# Altium PCB nPOC-BB_beta_main-board.PcbDoc (part 1 of 3) (continued)
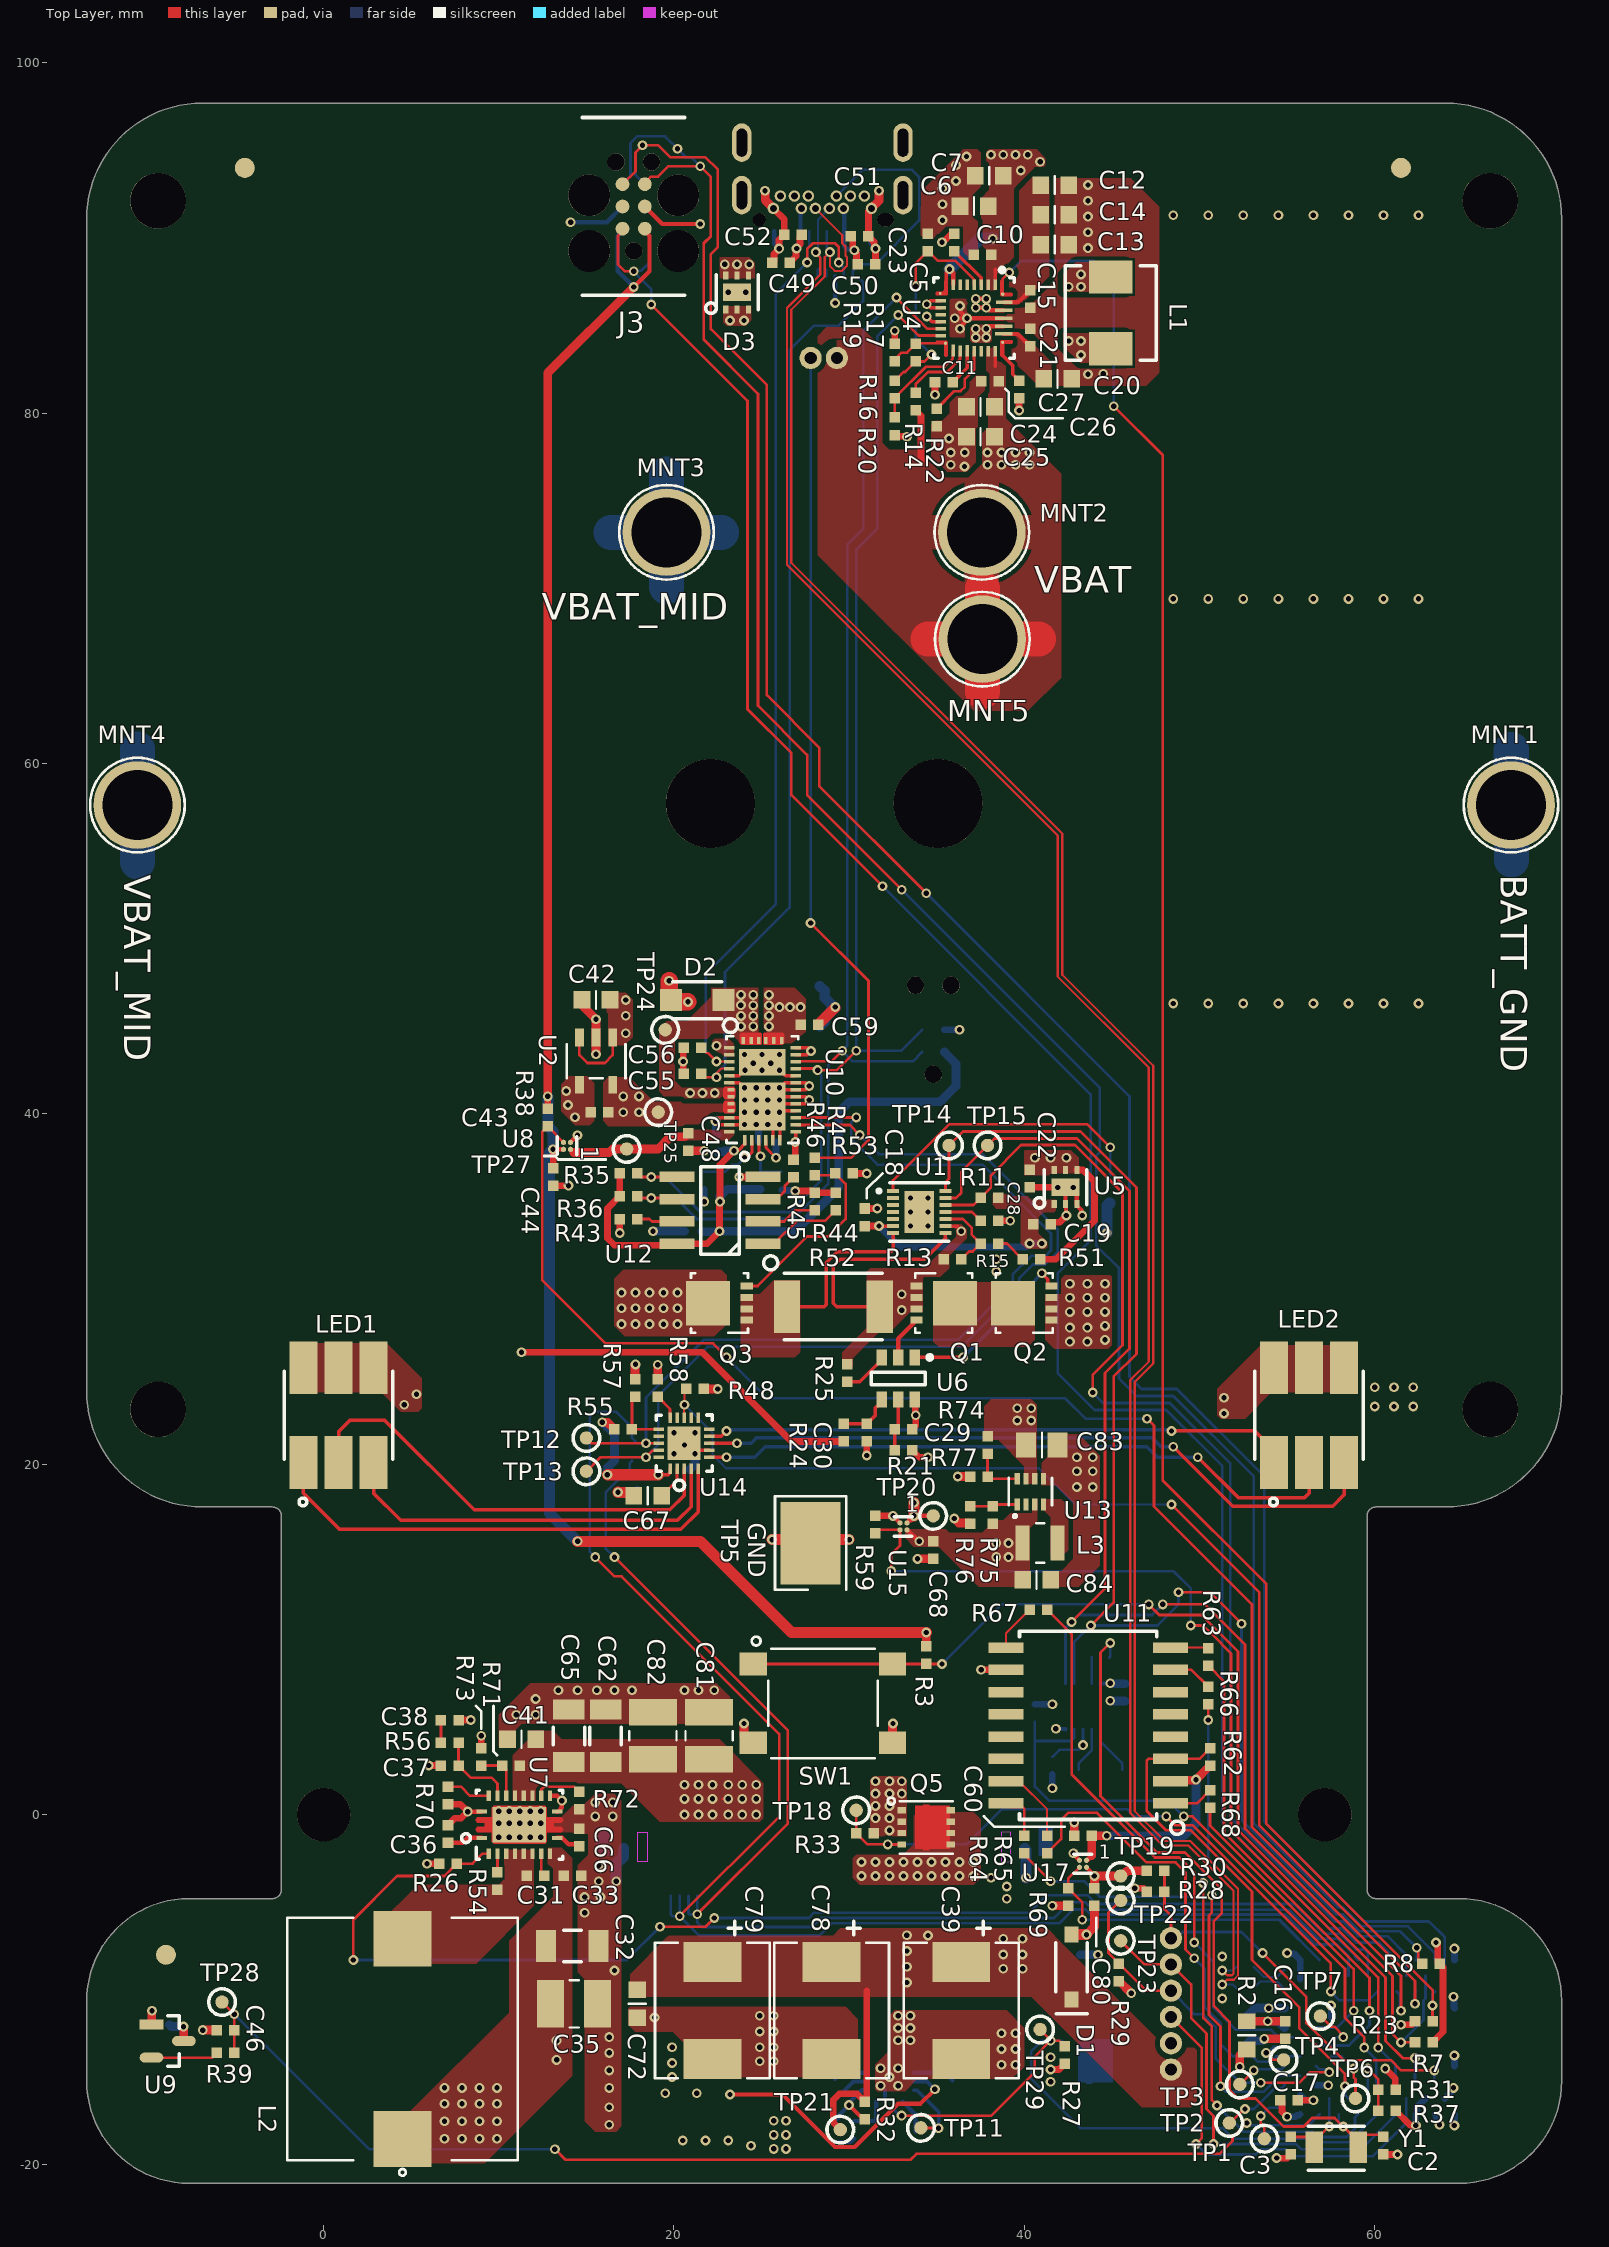
[diagram p0: Top Layer view]
## Components (designator, comment, footprint, x,y, rotation, side; value= is the part's Value field where it differs from the comment) (continued)
R35 "R0402_4k7_1pct" R0402 17.4,36.6 r180 top
R36 "R0402_4k7_1pct" R0402 17.4,35.3 r180 top
R37 "R0402_33k_1pct" R0402 60.7,-16.9 r180 top
R38 "100k" R0402 12.8,39.8 r90 top
R39 "R0402_0R" R0402 -5.6,-13.6 r0 top
R40 "R0402_0R" R0402 44.346,8.97 r0 bottom
R41 "R0402_10k_1pct" R0402 22.922,36.195 r270 bottom
R42 "R0402_10k_1pct" R0402 24.923,36.195 r270 bottom
R43 "R0402_10k_1pct" R0402 17.4,34 r0 top
R44 "R0402_10k_1pct" R0402 29.222,34.995 r270 top
R45 "R0402_10k_1pct" R0402 28.022,34.995 r270 top
R46 "R0402_10k_1pct" R0402 26.822,36.895 r270 top
R47 "R0402_0R" R0402 41.6,2.8 r270 bottom
R48 "R0402_10k_1pct" R0402 21.2,24.3 r0 top
R49 "R0402_10k_1pct" R0402 21.722,36.195 r90 bottom
R50 "R0402_10k_1pct" R0402 26.122,36.195 r90 bottom
R51 "R0402_470k_0p1pct" R0402 40.4,31.7 r0 top value=470kR
R52 "R0402_10m_1pct" R2010 29.1,29 r0 top value=10mR
R53 "R0402_10k_1pct" R0402 29.7,36.6 r180 top
R54 "R0402_267k_1pct" R0402 9.9,-3.8 r270 top value=267kR
R55 "DNP" R0402 17.1,22 r180 top
R56 "R0402_36k5_1pct" R0402 7.2,4.1 r0 top value=36.5kR
R57 "100k" R0402 17.776,24.354 r270 top
R58 "100k" R0402 19.076,24.354 r90 top
R59 "R0402_10k_1pct" R0402 31.5,16.554 r90 top
R60 "3.4k" R0402 28.695,-18.68 r0 bottom value=3.4kR
R61 "R0402_14k5_1pct" R0402 28.695,-17.48 r0 bottom value=14.5kR
R62 "R0402_10k_1pct" R0402 50.6,3.3 r90 top
R63 "0R" R0402 50.5,6.8 r90 top
R64 "0R" R0402 40,-1.7 r90 top
R65 "0R" R0402 41.3,-1.7 r90 top
R66 "0R" R0402 50.5,9 r90 top
R67 "0R" R0402 40.8,11.7 r180 top
R68 "0R" R0402 50.6,0.9 r90 top
R69 "100k" R0402 42.5,-4.7 r90 top
R70 "R0402_50k_1pct" R0402 7.1,1.1 r90 top value=50kR
R71 "R0402_680k_1pct" R0402 10.7,2.8 r0 top value=680kR
R72 "R0402_0R" R0402 14.6,0.8 r90 top
R73 "R0402_105k_1pct" R0402 9,3.3 r270 top value=105kR
R74 "R0402_0R" R0402 37.9,21.1 r90 top
R75 "R0402_619k_1pct" R0402 38.2,17.1 r270 top value=619kR
R76 "R0402_137k_1pct" R0402 36.9,17.1 r90 top value=137kR
R77 "R0402_0R" R0402 37.4,19.3 r0 top
SC1 "5241" bat_keystone-5241 56.3,80.954 r180 bottom
SC2 "5241" bat_keystone-5241 56.3,57.954 r180 bottom
SC3 "5241" bat_keystone-5241 56.3,34.954 r180 bottom
SC4 "5241" bat_keystone-5241 0.9,80.954 r180 bottom
SC5 "5241" bat_keystone-5241 0.9,57.954 r180 bottom
SC6 "5241" bat_keystone-5241 0.9,34.954 r180 bottom
SW1 "PTS645SM43SMTR92LFS" swt_pb_pts645s 28.5,6.35 r0 top locked
TP1 "TPC30" tpc30 53.7,-18.5 r180 top
TP2 "TPC30" tpc30 51.7,-17.6 r180 top
TP3 "TPC30" tpc30 52.3,-15.4 r180 top
TP4 "TPC30" tpc30 54.8,-14 r180 top
TP5 "5016" KEYSTONE_5016 27.8,15.5 r270 top
TP6 "TPC30" tpc30 58.9,-16.2 r0 top
TP7 "TPC30" tpc30 56.9,-11.5 r0 top
TP11 "TPC30" tpc30 34.095,-17.88 r0 top
TP12 "TPC30" tpc30 15,21.5 r90 top
TP13 "TPC30" tpc30 15,19.6 r90 top
TP14 "TPC30" tpc30 35.7,38.2 r90 top
TP15 "TPC30" tpc30 37.9,38.2 r180 top
TP18 "TPC30" tpc30 30.4,0.246 r270 top
TP19 "TPC30" tpc30 45.5,-3.5 r90 top
TP20 "TPC30" tpc30 34.8,17.054 r90 top
TP21 "TPC30" tpc30 29.495,-17.98 r270 top
TP22 "TPC30" tpc30 45.5,-4.9 r90 top
TP23 "TPC30" tpc30 45.5,-7.2 r90 top
TP24 "TPC30" tpc30 19.5,44.8 r90 top
TP25 "TPC30" tpc30 19.1,40.1 r90 top
TP27 "TPC30" tpc30 17.3,38 r270 top
TP28 "TPC30" tpc30 -5.8,-10.7 r90 top
TP29 "TPC30" tpc30 40.9,-12.265 r90 top
U1 "MAX17263LETD+T" dfn14_3x3_p4mm 34,34.4 r0 top
U2 "AP7375-50W5-7" SOT25 15.551,43.006 r270 top
U3 "PCF85063ATL/1,118" dfn10_2p6x2p6_p5mm 43.346,6.175 r90 bottom
U4 "BQ25792RQMR" qfn29_4x4_p4mm-RQM0029A 37.131,85.422 r270 top
U5 "TPS70933DRVR" dfn7_2x2_p65mm 42.35,35.825 r0 top
U6 "S-8252AAO-M6T1U" SOT23-6PIN 32.8,24.9 r270 top
U7 "TPS61088RHLR" qfn20_3p5x4p5_p5mm 11.174,-0.578 r90 top
U8 "NCP333FCT2G" bga4_p743xp743_p4mm 13.895,38.177 r90 top
U9 "DRV5053VAQDBZR" SOT23 -8.9,-12.921 r0 top locked
U10 "TPS25750DRJKR" qfn40_6x4_p4mm-RJK0038B 25.049,41.388 r90 top
U11 "MX66L1G45GMI-08G" sol16 43.646,5.093 r180 top
U12 "CAT24C256WI-GT3" SO8 22.622,34.495 r180 top
U13 "TPS629210DRLR" SOT-583 40.35,18.44 r90 top
U14 "IS31FL3196A-QFLS2-TR" qfn20_3x3_p4mm 20.576,21.204 r90 top
U15 "NCP333FCT2G" bga4_p743xp743_p4mm 33.1,16.454 r180 top
U16 "LM5157RTER" qfn16_3x3_p5mm_thpad 32.295,-14.98 r180 bottom
U17 "NCP333FCT2G" bga4_p743xp743_p4mm 43.346,-2.807 r180 top
Y1 "DNP" xtal2_3p2x1p5 57.8,-19 r180 top value=9E-12F
Y2 "RT3215-32.768-9-TR" xtal2_3p2x1p5 44.346,2.57 r180 bottom value=9E-12F

## Footprints (in the part's own frame and the unit in brackets; to place one, negate y for a bottom-side part, rotate by r counter-clockwise, add the part's x,y. Pads: shape width x height; smd on the part's side, far side on the other; paste and mask are expansions set on the pad)
bat_keystone-5241 [mil] "\"C\" Cell Negative battery contact"
  rrect12% 767.72x767.72 smd: 1(0,0)
  silkscreen extent -413,-413 413,413, body extent -371,-374 379,376, height 638
bga4_p743xp743_p4mm [mm] "Flip Chip 4 pin"
  round 0.3 smd paste-0.05 mask-0.04: A1(-0.2,-0.2) A2(-0.2,0.2) B1(0.2,-0.2) B2(0.2,0.2)
  silkscreen extent -0.5,-0.55 0.53,0.55, body extent -0.41,-0.41 0.41,0.41, height 0.61
BMD-340-A-R [mil] "u-Blox, BMD-340-A-R, Stand-alone Bluetooth 5"
  rect 20x20 smd: 1(-173.23,112.2) 2(-137.8,90.55) 3(-173.23,68.9) 4(-137.8,47.24) 5(-173.23,25.59) 6(-137.8,3.94) 7(-173.23,-17.72) 8(-137.8,-39.37) 9(-173.23,-61.02) 10(-137.8,-82.68) 11(-173.23,-104.33) 12(-137.8,-125.98) 13(-173.23,-147.64) 14(-137.8,-169.29) 15(-173.23,-190.94) 16(-173.23,-234.25) 17(-129.92,-234.25) 18(-108.27,-198.82) 19(-86.61,-234.25) 20(-64.96,-198.82) 21(-43.31,-234.25) 22(-21.65,-198.82) 23(0,-234.25) 24(21.65,-198.82) 25(43.31,-234.25) 26(64.96,-198.82) 27(86.61,-234.25) 28(108.27,-198.82) 29(129.92,-234.25) 30(173.23,-234.25) 31(173.23,-190.94) 32(137.8,-169.29) 33(173.23,-147.64) 34(137.8,-125.98) 35(173.23,-104.33) 36(137.8,-82.68) 37(173.23,-61.02) 38(137.8,-39.37) 39(173.23,-17.72) 40(137.8,3.94) 41(173.23,25.59) 42(137.8,47.24) 43(173.23,68.9) 44(137.8,90.55) 45(173.23,112.2) 46(64.96,112.2) 47(-64.96,112.2) 48(-102.36,68.9) 49(-102.36,25.59) 50(-102.36,-17.72) 51(-102.36,-61.02) 52(-102.36,-104.33) 53(-43.31,-163.39) 54(0,-163.39) 55(43.31,-163.39) 56(102.36,-104.33) 57(102.36,-61.02) 58(102.36,-17.72) 59(102.36,25.59) 60(102.36,68.9) 61(-151.57,-269.69) 62(-108.27,-269.69) 63(-64.96,-269.69) 64(-21.65,-269.69) 65(21.65,-269.69) 66(64.96,-269.69) 67(108.27,-269.69) 68(151.57,-269.69)
  silkscreen extent -250,-310 216,310, body extent -201,-295 201,295, height 75
C0402 [mm] "C0402"
  rect 0.6x0.6 smd: 1(-0.5,0) 2(0.5,0)
  body extent -0.5,-0.25 0.5,0.25, height 0.35
C0603 [mm] "C0603"
  rect 0.95x1 smd: 1(-0.8,0) 2(0.8,0)
  silkscreen extent 0,-0.5 0,0.5, body extent -0.8,-0.4 0.8,0.4, height 0.45
c0805 [mil] "0805"
  rect 45.28x57.09 smd: 1(-35.43,0) 2(35.43,0)
  silkscreen extent 0,-28 0,28, body extent -39,-24 39,24, height 16
C1206 [mm] "C1206"
  rect 1.15x1.8 smd: 1(-1.5,0) 2(1.5,0)
  silkscreen extent -0.5,-0.9 0.5,0.9, body extent -1.6,-0.8 1.6,0.8, height 0.5
C1210 [mm] "C1210"
  rect 1.53x2.72 smd: 1(-1.341,0) 2(1.341,0)
  silkscreen extent -0.26,-1.35 0.26,1.35, body extent -1.6,-1.25 1.6,1.25, height 2.7
C7361-38 [mil] "EIA 7361-38"
  rect 89x130 smd: 1(-109,0) 2(109,0)
  silkscreen extent -200,-129 153,129, body extent -147,-124 147,124, height 150
cap_panasonic_svpf_code-b6 [mm] "Cap, Panasonic SVFP Sereis Size Code B6"
  rect 3x1.6 smd: 1(-2.2,0) 2(2.2,0)
  silkscreen extent -3.68,-2.65 2.65,2.65, body extent -3,-2.65 3,2.65, height 5.5
conn_wire-1#1 [mm] "3mm hole for wire - 5mm pad with 3mm hole"
  round 5 hole 4: 1(0,0)
  silkscreen extent -2.7,-2.7 2.7,2.7, body extent -2.54,-2.54 2.54,2.54, height 1.37
conn_wire-1#2 [mm] "3mm hole for wire - 5mm pad with 3mm hole"
  round 5 / inner round 1.524 / far side round 5 hole 4: 1(0,0)
  silkscreen extent -2.7,-2.7 2.7,2.7, body extent -2.54,-2.54 2.54,2.54, height 1.37
conn_wire-1_4mm [mm] "4mm hole for banana plug  - 5mm pad with 4mm hole"
  round 5 hole 4: 1(0,0)
  silkscreen extent -2.7,-2.7 2.7,2.7, body extent -2.54,-2.54 2.54,2.54, height 1.37
dfn7_2x2_p65mm [mm] "TI - TPS61260DRVR"
  rect 0.3x0.45 smd: 1(-0.65,-0.975) 2(0,-0.975) 3(0.65,-0.975) 4(0.65,0.975) 5(0,0.975) 6(-0.65,0.975)
  rect 1.6x1 smd: 7(0,0)
  silkscreen extent -1.79,-1.2 1.2,1, body extent -1,-1 1,1, height 0.8
dfn8_3p1x3p25_p65mm [mm] "TI DNH0008A package, dfn 8 pin, 3.1 x 3.25mm. 0.65mm pitch, 0.9mm height"
  rect 0.7x0.4 smd: 1(-1.55,0.975) 2(-1.55,0.325) 3(-1.55,-0.325) 4(-1.55,-0.975) 5(1.55,-0.975) 6(1.55,-0.325) 7(1.55,0.325)
  rect 2.51x2.55 smd: 8(0.645,0)
  silkscreen extent -1.62,-1.7 1.62,1.7, body extent -1.65,-1.66 1.65,1.66, height 0.9
dfn8_3x3_p65mm_fet [mm] "Alpha & Omega DFN 3x3 EP"
  rect 0.35x0.5 smd: 1(-0.975,-1.4) 2(-0.325,-1.4) 3(0.325,-1.4) 4(0.975,-1.4) 5(0.975,1.4) 6(0.325,1.4) 7(-0.325,1.4) 8(-0.975,1.4)
  Top Layer region: -1.225,-0.625 -1.225,-0.175 -1.3,-0.175 -1.3,0.175 -1.225,0.175 -1.225,1.35 1.225,1.35 1.225,0.175 1.3,0.175 1.3,-0.175 1.225,-0.175 1.225,-0.625
  silkscreen extent -1.7,-2.2 1.5,1.5, body extent -1.55,-1.6 1.55,1.6, height 0.9
dfn10_1p1x2p6_p5mm [mm] "TI DQA0010A package, dfn 10 pin, 1.1 x 2.6mm, 0.5mm pitch, 0.55mm  height"
  rect 0.55x0.2 smd: 1(-0.425,1) 2(-0.425,0.5) 4(-0.425,-0.5) 5(-0.425,-1) 6(0.425,-1) 7(0.425,-0.5) 9(0.425,0.5) 10(0.425,1)
  rect 0.55x0.4 smd: 3(-0.425,0) 8(0.425,0)
  silkscreen extent -0.76,-1.4 0.64,1.78, body extent -0.5,-1.25 0.5,1.25, height 0.55
dfn10_2p6x2p6_p5mm [mil] "DFN 10 pin, 2.6x2.6mm 0.5mm pitch"
  rect 28x10 smd: 1(-51,39.37) 2(-51,19.69) 3(-51,0) 4(-51,-19.68) 5(-51,-39.37) 6(51,-39.37) 7(51,-19.68) 8(51,0) 9(51,19.69) 10(51,39.37)
  rect 51.18x86.61 smd: 11(0,0)
  silkscreen extent -77,-56 31,77, body extent -53,-51 53,51, height 39
dfn14_3x3_p4mm [mm] "DFN 14 pin, 3x3mm, 0.4mm pin pitch, 0.75mm height"
  rect 0.706x0.204 smd: 1(-1.496,1.2) 2(-1.496,0.8) 3(-1.496,0.4) 4(-1.496,0) 5(-1.496,-0.4) 6(-1.496,-0.8) 7(-1.496,-1.2) 8(1.496,-1.2) 9(1.496,-0.8) 10(1.496,-0.4) 11(1.496,0) 12(1.496,0.4) 13(1.496,0.8) 14(1.496,1.2)
  rect 1.702x2.388 smd: 15(0,0)
  silkscreen extent -2.4,-1.68 1.68,1.68, body extent -1.55,-1.55 1.55,1.55, height 0.81
ind2_5p4x5p2mm [mm] "Sumida 0530CDMCC/DS"
  rect 1.9x2.5 smd: 1(-2.05,0) 2(2.05,0)
  silkscreen extent -2.7,-2.6 2.7,2.6, body extent -2.7,-2.6 2.7,2.6, height 3
ind2_2520 [mm] "muRata Inductor 2520 DFE252012F"
  rect 0.8x2 smd paste+0: 1(-1,0)
  rect 0.8x2 smd: 2(1,0)
  silkscreen extent -0.23,-1.13 0.23,1.13, body extent -1.35,-1 1.35,1, height 1.19
ind2_vishay_ihlp5050ce [mm] "Inductor, Vishay IHLP5050CE"
  rect 3.175x3.3 smd: 1(-5.715,0) 2(5.715,0)
  silkscreen extent -7.81,-6.58 6.92,6.58, body extent -6.79,-6.45 6.79,6.45, height 3.56
ind2_wurth_78404064015 [mm] "Inductor Wurth 78404064015  WE_LQSA"
  rect 2.7x6.2 smd: 1(-2.3,0) 2(2.3,0)
  silkscreen extent -4.57,-3.43 3.3,3.43, body extent -3.15,-3.15 3.15,3.15, height 4.6
jst-b2b-zr [mm] "JST ZH - 1.5mm pitch Wire to Board Connector"
  round 1.27 hole 0.7 paste-2539.97: 1(0,0) 2(1.5,0)
  silkscreen extent -1.62,-2.33 3.15,2.29, body extent -1.5,-2.2 3,1.3, height 4.5
jst-b6b-zr [mm] "JST ZH - 1.5mm pitch Wire to Board Connector"
  round 1.27 hole 0.7 paste-2539.97: 1(0,0) 2(1.5,0) 3(3,0) 4(4.5,0) 5(6,0) 6(7.5,0)
  silkscreen extent -1.62,-2.33 9.12,2.28, body extent -1.5,-2.2 9,1.3, height 4.5
KEYSTONE_5016 [mm] "Keystone SMT Test clip 5016"
  rect 4.7x3.43 smd: 1(0,0)
  silkscreen extent -2.67,-2.03 2.67,2.03, body extent -1.91,-1.42 1.91,1.42, height 2.29
led6_smt_5x6mm [mm] "Kingbright  AAAF5060QFBSURZGS"
  rect 3x1.6 smd: 1(-2.7,2) 2(-2.7,0) 3(-2.7,-2) 4(2.7,-2) 5(2.7,0) 6(2.7,2)
  silkscreen extent -5.18,-3.1 2.5,3.1, body extent -2.54,-3.05 2.54,3.05, height 2.3
molex_54132-4097 [mm] "Molex 40 pin 0.5 FPC connector ZIP Housing Assy"
  rect 0.3x1.2 smd: 1(-9.75,2.498) 2(-9.25,2.498) 3(-8.75,2.498) 4(-8.25,2.498) 5(-7.75,2.498) 6(-7.25,2.498) 7(-6.75,2.498) 8(-6.25,2.498) 9(-5.75,2.498) 10(-5.25,2.498) 11(-4.75,2.498) 12(-4.25,2.498) 13(-3.75,2.498) 14(-3.25,2.498) 15(-2.75,2.498) 16(-2.25,2.498) 17(-1.75,2.498) 18(-1.25,2.498) 19(-0.75,2.498) 20(-0.25,2.498) 21(0.25,2.498) 22(0.75,2.498) 23(1.25,2.498) 24(1.75,2.498) 25(2.25,2.498) 26(2.75,2.498) 27(3.25,2.498) 28(3.75,2.498) 29(4.25,2.498) 30(4.75,2.498) 31(5.25,2.498) 32(5.75,2.498) 33(6.25,2.498) 34(6.75,2.498) 35(7.25,2.498) 36(7.75,2.498) 37(8.25,2.498) 38(8.75,2.498) 39(9.25,2.498) 40(9.75,2.498)
  rect 1.6x2.4 smd: MNT1(-11.45,-0.202) MNT2(11.45,-0.202)
  Top Layer region: 12.25,-1.402 13.05,-1.402 13.05,0.198 12.25,0.198
  Top Layer region: -12.25,-1.402 -13.05,-1.402 -13.05,0.198 -12.25,0.198
  Keep-Out Layer region: 10.65,0.55 10.65,-1.15 10.1,-1.15 10.1,0.55
  Keep-Out Layer region: -10.636,0.55 -10.65,-1.15 -10.1,-1.15 -10.1,0.55
  silkscreen extent -12.75,-2.8 12.75,5.65, body extent -13.08,-2.92 13.08,3.17, height 2
qfn16_3x3_p5mm_thpad [mm] "QFN 16 pin, 3x3mm. 0.8mm height with thermal pad.  TI - RTE0016C"
  rrect50% 0.6x0.24 smd: 1(-1.4,0.75) 2(-1.4,0.25) 3(-1.4,-0.25) 4(-1.4,-0.75) 9(1.4,-0.75) 10(1.4,-0.25) 11(1.4,0.25) 12(1.4,0.75)
  rrect50% 0.24x0.6 smd: 5(-0.75,-1.4) 6(-0.25,-1.4) 7(0.25,-1.4) 8(0.75,-1.4) 13(0.75,1.4) 14(0.25,1.4) 15(-0.25,1.4) 16(-0.75,1.4)
  rect 1.66x1.66 smd: 17(0,0)
  silkscreen extent -2.36,-1.73 1.73,1.73, body extent -1.5,-1.5 1.5,1.5, height 0.8
qfn20_3p5x4p5_p5mm [mm] "QFN 20 pin, 3.5 x 4.5mm, 0.5mm pitch, 1mm height"
  rect 0.24x0.6 smd paste+0 mask+0.051: 1(-0.75,2.15) 10(-0.75,-2.15) 11(0.75,-2.15) 20(0.75,2.15)
  rect 0.6x0.24 smd paste+0 mask+0.051: 2(-1.65,1.75) 3(-1.65,1.25) 4(-1.65,0.75) 5(-1.65,0.25) 6(-1.65,-0.25) 7(-1.65,-0.75) 8(-1.65,-1.25) 9(-1.65,-1.75) 12(1.65,-1.75) 13(1.65,-1.25) 14(1.65,-0.75) 15(1.65,-0.25) 16(1.65,0.25) 17(1.65,0.75) 18(1.65,1.25) 19(1.65,1.75)
  rect 2.05x3.05 smd paste-1.512 mask+0: 21(0,0)
  Top Layer region: -1.075,-1.475 -0.975,-1.575 -0.425,-1.575 -0.425,-2.4 -0.325,-2.5 -0.225,-2.5 -0.125,-2.4 -0.125,-1.975 0.125,-1.975 0.125,-2.4 0.225,-2.5 0.325,-2.5 0.425,-2.4 0.425,-1.575 0.975,-1.575 1.075,-1.475 1.075,1.475 0.975,1.575 0.425,1.575 0.425,2.4 0.325,2.5 0.225,2.5 0.125,2.4 0.125,1.975 -0.125,1.975 -0.125,2.4 -0.225,2.5 -0.325,2.5 -0.425,2.4 -0.425,1.575 -0.975,1.575 -1.075,1.475
  silkscreen extent -1.98,-2.47 1.98,3.3, body extent -1.75,-2.25 1.75,2.25, height 0.97
qfn20_3x3_p4mm [mm] "qfn 20pin 3x3mm 0.4mm pitch  0.8mm height"
  rect 0.6x0.2 smd: 1(-1.45,0.8) 2(-1.45,0.4) 3(-1.45,0) 4(-1.45,-0.4) 5(-1.45,-0.8) 11(1.45,-0.8) 12(1.45,-0.4) 13(1.45,0) 14(1.45,0.4) 15(1.45,0.8)
  rect 0.2x0.6 smd: 6(-0.8,-1.45) 7(-0.4,-1.45) 8(0,-1.45) 9(0.4,-1.45) 10(0.8,-1.45) 16(0.8,1.45) 17(0.4,1.45) 18(0,1.45) 19(-0.4,1.45) 20(-0.8,1.45)
  rect 1.9x1.9 smd paste-2539.97: 21(0,0)
  silkscreen extent -2.7,-1.61 1.61,1.6, body extent -1.55,-1.55 1.55,1.55, height 0.6
qfn29_4x4_p4mm-RQM0029A [mm] "QFN 29 pin, 4x4mm, 0.4mm pitch, TI RQM0029A package"
  round 0.192 smd paste-2539.97 mask+0.05: 1(-1.369,1.631)
  rect 0.6x0.2 smd mask+0.05: 2(-1.9,1.2) 3(-1.9,0.8) 4(-1.9,0.4) 5(-1.9,0) 6(-1.9,-0.4) 7(-1.9,-0.8) 8(-1.9,-1.2) 20(1.9,0) 21(1.9,0.4) 22(1.9,0.8) 23(1.9,1.2)
  round 0.158 smd paste-2539.97 mask+0.05: 9(-1.412,-1.937)
  rect 0.2x0.6 smd mask+0.05: 10(-1,-1.9) 11(-0.6,-1.9) 12(-0.2,-1.9) 13(0.2,-1.9) 14(0.6,-1.9) 15(1,-1.9)
  round 0.175 smd paste-2539.97 mask+0.05: 16(1.431,-1.631) 24(1.381,1.631)
  rect 0.7x0.2 smd mask+0.05: 17(1.85,-1.2)
  rect 0.65x0.2 smd mask+0.05: 18(1.875,-0.8)
  rect 0.68x0.2 smd mask+0.05: 19(1.86,-0.4)
  rect 0.2x1 smd mask+0.05: 25(0.9,1.7) 26(0.45,1.7) 27(0,1.7) 28(-0.45,1.7)
  rect 0.2x0.95 smd mask+0.05: 29(-0.9,1.725)
  Top Layer region: -2.2,1.55 -2.2,1.65 -2.15,1.7 -1.45,1.7 -1.45,2.15 -1.4,2.2 -1.3,2.2 -1.25,2.15 -1.25,1.55 -1.3,1.5 -2.15,1.5
  Top Layer region: -2.2,-1.55 -2.2,-1.65 -2.15,-1.7 -1.5,-1.7 -1.5,-2.15 -1.45,-2.2 -1.35,-2.2 -1.3,-2.15 -1.3,-1.55 -1.35,-1.5 -2.15,-1.5
  Top Layer region: 2.2,-1.55 2.2,-1.65 2.15,-1.7 1.5,-1.7 1.5,-2.15 1.45,-2.2 1.35,-2.2 1.3,-2.15 1.3,-1.55 1.35,-1.5 2.15,-1.5
  Top Layer region: 2.2,1.55 2.2,1.65 2.15,1.7 1.45,1.7 1.45,2.15 1.4,2.2 1.3,2.2 1.25,2.15 1.25,1.55 1.3,1.5 2.15,1.5
  silkscreen extent -2.87,-2.3 2.3,2.3, body extent -2,-2 2,2, height 1
qfn40_6x4_p4mm-RJK0038B [mm] "QFN 40 pin, 6x4mm, 0.4mm pitch - TI RJK0038B package"
  rect 0.6x0.2 smd: 1(-2.9,1) 2(-2.9,0.6) 3(-2.9,0.2) 4(-2.9,-0.2) 5(-2.9,-0.6) 6(-2.9,-1)
  rect 0.2x0.6 smd: 7(-2.4,-1.9) 8(-2,-1.9) 9(-1.6,-1.9) 10(-1.2,-1.9) 11(-0.8,-1.9) 12(-0.4,-1.9) 13(0,-1.9) 14(0.4,-1.9) 15(0.8,-1.9) 16(1.2,-1.9) 17(1.6,-1.9) 18(2,-1.9) 19(2.4,-1.9) 26(2.4,1.9) 27(2,1.9) 28(1.6,1.9) 29(1.2,1.9) 30(0.8,1.9) 31(0.4,1.9) 36(-1.6,1.9) 37(-2,1.9) 38(-2.4,1.9)
  rect 0.4x0.2 smd: 20(2.8,-1.1) 21(2.8,-0.65) 22(2.8,-0.2) 23(2.8,0.2) 24(2.8,0.65) 25(2.8,1.1)
  rect 0.2x0.4 smd: 32(0,1.8) 33(-0.4,1.8) 34(-0.8,1.8) 35(-1.2,1.8)
  rect 2.72x2.65 smd: 39(-0.965,0)
  rect 1.53x2.65 smd: 40(1.56,0)
  Top Layer region: 2.55,-1.15 2.55,-0.097 2.597,-0.05 3.203,-0.05 3.25,-0.097 3.25,-1.15 3.15,-1.25 2.65,-1.25
  Top Layer region: 2.55,0.1 2.55,1.203 2.65,1.303 3.15,1.303 3.25,1.203 3.25,0.1 3.2,0.05 2.6,0.05
  Top Layer region: 2.55,0.15 2.55,1.203 2.65,1.303 3.15,1.303 3.25,1.203 3.25,0.15 3.2,0.1 2.6,0.1
  Top Layer region: -0.55,1.65 -0.55,2.15 -0.45,2.25 0.05,2.25 0.15,2.15 0.15,1.65 0.05,1.55 -0.45,1.55
  Top Layer region: -1.35,1.65 -1.35,2.15 -1.25,2.25 -0.75,2.25 -0.65,2.15 -0.65,1.65 -0.75,1.55 -1.25,1.55
  silkscreen extent -4.06,-2.05 3.05,2.05, body extent -3,-2 3,2, height 0.8
R0402 [mil] "R0402"
  rect 23.62x23.62 smd: 1(-19.68,0) 2(19.68,0)
  body extent -20,-10 20,10, height 14
R0603 [mm] "R0603"
  rect 0.9x1 smd: 1(-0.8,0) 2(0.8,0)
  silkscreen extent 0,-0.5 0,0.5, body extent -0.8,-0.4 0.8,0.4, height 0.45
R2010 [mm] "Resistor  2010"
  rect 1.5x3 smd: 1(-2.65,0) 2(2.65,0)
  silkscreen extent -2.8,-1.9 2.8,1.9, body extent -2.5,-1.25 2.5,1.25, height 0.55
sma [mil] "Diode SMA"
  rect 79x79 smd: A(79,0) K(-79,0)
  silkscreen extent -145,-65 90,65, body extent -105,-57 103,57, height 95
SO8 [mm] "SOIC8"
  rect 2x0.6 smd: 1(-2.45,1.905) 2(-2.45,0.635) 3(-2.45,-0.635) 4(-2.45,-1.905) 5(2.45,-1.905) 6(2.45,-0.635) 7(2.45,0.635) 8(2.45,1.905)
  silkscreen extent -3.3,-2.5 1.1,3.4, body extent -3.1,-2.49 3.1,2.49, height 1.68
sod123 [mm] "SOD-123"
  rect 0.9x0.8 smd: A(1.85,0) K(-1.85,0)
  silkscreen extent -2.67,-0.9 1.4,0.9, body extent -1.93,-0.9 1.93,0.9, height 1.35
sod-123fl_AK [mm] "Sod-123fl with pin A & K"
  rect 1.25x1.25 smd: A(1.5,0) K(-1.5,0)
  silkscreen extent -2.3,-1.05 1.4,1.85, body extent -1.93,-0.9 1.93,0.9, height 1.35
sol16 [mm] "SOIC 16 pin 7.62mm wide"
  rect 2x0.6 smd: 1(-4.699,4.445) 2(-4.699,3.175) 3(-4.699,1.905) 4(-4.699,0.635) 5(-4.699,-0.635) 6(-4.699,-1.905) 7(-4.699,-3.175) 8(-4.699,-4.445) 9(4.699,-4.445) 10(4.699,-3.175) 11(4.699,-1.905) 12(4.699,-0.635) 13(4.699,0.635) 14(4.699,1.905) 15(4.699,3.175) 16(4.699,4.445)
  silkscreen extent -5.46,-5.37 3.92,6.22, body extent -5.25,-5.25 5.25,5.25, height 2.64
SOT23 [mm] "Sot23 3pin"
  rect 1.355x0.562 smd paste+0 mask+0.127: 1(-0.925,0.95)
  rrect100% 1.355x0.562 smd paste+0 mask+0.127: 2(-0.925,-0.95) 3(0.925,0)
  silkscreen extent 0,-1.45 0.65,1.45, body extent -1.85,-1.7 1.85,1.7, height 0.25
SOT23-6PIN [mm] "SOT23, 6-Leads, Body 2.9x1.55mm, Pitch 0.95mm, IPC High Density"
  rect 0.9x0.6 smd: 1(-1.2,0.95) 2(-1.2,0) 3(-1.2,-0.95) 4(1.2,-0.95) 5(1.2,0) 6(1.2,0.95)
  silkscreen extent -1.32,-1.55 0.35,1.93, body extent -1.4,-1.45 1.4,1.45, height 0.97
SOT25 [mm] "Diodes SOT25"
  rect 1.006x0.5 smd: 1(-1.353,0.95) 2(-1.353,0) 3(-1.353,-0.95) 4(1.353,-0.95) 5(1.353,0.95)
  silkscreen extent -0.98,-1.68 0.98,1.68, body extent -1.5,-1.55 1.5,1.55, height 1.45
SOT-583 [mm] "TI DRL0008A package"
  rect 0.67x0.3 smd mask+0.05: 1(-0.74,0.75) 2(-0.74,0.25) 3(-0.74,-0.25) 4(-0.74,-0.75) 5(0.74,-0.75) 6(0.74,-0.25) 7(0.74,0.25) 8(0.74,0.75)
  silkscreen extent -1.5,-1.23 0.77,1.23, body extent -0.8,-1.05 0.8,1.05, height 0.6
swt_pb_pts645s [mm] "C&K PTS645SM43SMTR92LFS G-Type 6mm Tact Switch"
  rect 1.55x1.3 smd: 1(-3.975,2.25) 2(3.975,2.25) 3(-3.975,-2.25) 4(3.975,-2.25)
  silkscreen extent -4.06,-3.12 3.12,3.81, body extent -4.5,-3 4.5,3, height 4.3
tc2030-ctx [mil] "TC2030 6 pin cable for ARM Cortex"
  round 31 smd paste-99999: 1(-50,-25) 2(-50,25) 3(0,-25) 4(0,25) 5(50,-25) 6(50,25)
  round 93.5 hole 93.5 unplated: 11(-100,100) 12(25,100) 15(25,-100) 16(-100,-100)
  round 39 hole 39 unplated: mh1(-100,0) mh2(100,40) mh3(100,-40)
  silkscreen extent -200,-115 200,115, body extent -189,-118 185,118, height 1567
tc2030-mcp-nl [mil]
  round 31 smd paste-99999: 1(-50,-25) 2(-50,25) 3(0,-25) 4(0,25) 5(50,-25) 6(50,25)
  round 39 hole 39 unplated: mh1(-100,0) mh2(100,40) mh3(100,-40)
  silkscreen extent -200,-115 200,115, body extent -189,-118 185,118, height 1567
tpc30 [mil]
  round 30 smd: 1(0,0)
  silkscreen extent -30,-30 30,30, body extent -15,-15 15,15, height 21
USB_JAE_DX07S024XJ1R1100 [mm] "JAE - DX07S024XJ1R1100,   USB-C (USB TYPE-C) USB 3.2 Gen 2 Receptacle Connector 24 Position Surface Mount, Right Angle; Through Hole"
  oval 1.1x2.2 hole 0.6 slot 1.6 at 90 deg: 13(-1,-1.4) 14(8.2,-1.4) 15(-1,-4.4) 16(8.2,-4.4)
  round 0.75 hole 0.75 unplated: 17(0,0)
  oval 0.95x0.75 hole 0.75 slot 0.95 at 0 deg unplated: 18(7.2,0)
  rect 0.3x1.1 smd: A1(0.85,0.66) A2(1.35,0.66) A3(1.85,0.66) A4(2.35,0.66) A5(2.85,0.66) A6(3.35,0.66) A7(3.85,0.66) A8(4.35,0.66) A9(4.85,0.66) A10(5.35,0.66) A11(5.85,0.66) A12(6.35,0.66)
  round 0.65 hole 0.4: B1(6.4,-0.65) B2(6,-1.35) B3(5.2,-1.35) B4(4.8,-0.65) B5(4.4,-1.35) B6(4,-0.65) B7(3.2,-0.65) B8(2.8,-1.35) B9(2.4,-0.65) B10(2,-1.35) B11(1.2,-1.35) B12(0.8,-0.65)
  silkscreen extent -1.09,-8.85 8.29,2.03, body extent -1.1,-8.85 8.3,0.91, height 3.45
xtal2_3p2x1p5 [mm] "Crystal 32.768KHZ 9PF SMD"
  rect 1x1.8 smd: 1(-1.25,0) 2(1.25,0)
  silkscreen extent -1.6,-1.2 1.6,1.3, body extent -1.65,-0.8 1.65,0.8, height 0.84

## Part data
C1: library part CMP-00579-3, "CAP CER 4.7UF 25V X5R 0603", Case Code (Imperial)=0603, Case Code (Metric)=1608, Dielectric=X5R, Dielectric Material=Ceramic, Max Operating Temperature=85°C, Min Operating Temperature=-55°C, Package Quantity=1, Tolerance=20%, Voltage Rating=25V, Case/Package=0603, Depth=0.8mm, Height=0.8mm, Install=POP, Lead Free="Lead Free", Length=1.6mm, Mounting Technology="Surface Mount", Packaging="Tape and Reel", Radiation Hardening=No, Reach SVHC Compliant=Unknown, RoHS Compliant=Yes, Series=C, Termination=SMD/SMT, Thickness=0.039inch, Voltage Rating (DC)=25V, Weight=7.1E-05oz, Width=0.031inch
C2 C3 C46: library part CMP-00017-6, "Blank pads for future cap placements", Install=DNP, Odic Footprint=C0402
C4 C18: library part CMP-00301-3, "0.1 µF ±10% 16V Ceramic Capacitor X7R 0402 (1005 Metric)", Capacitance=100nF, Case Code (Imperial)=0402, Case Code (Metric)=1005, Dielectric=X7R, Dielectric Material=Ceramic, Max Operating Temperature=125°C, Min Operating Temperature=-55°C, Package Quantity=1, Tolerance=10%, Voltage=16V, Case/Package=0402, Construction=Flat, Contact Plating=Tin,Matte, Depth=0.5mm, Height=0.56mm, Install=POP, Lead Free="Lead Free", Length=1mm, Mount="Surface Mount,PCB", Packaging="Tape and Reel", Radiation Hardening=No, REACH SVHC="No SVHC", RoHS Compliant=Yes, Series=-, Termination=SMD/SMT, Thickness=0.022inch, Voltage Rating=16V, Voltage Rating (DC)=16V, Width=0.02inch
C5 C11: library part CMP-00644-3, "CGA2B3X7R1H473K050BB", Capacitance=47nF, Case Code (Imperial)=0402, Case Code (Metric)=1005, Dielectric=X7R, Max Operating Temperature=125°C, Min Operating Temperature=-55°C, Package Quantity=1, Ratings=AEC-Q200, Tolerance=10%, Voltage Rating=50V, Case/Package=0402, Construction=Flat, Depth=0.5mm, Height=0.5mm, Install=POP, Lead Free="Lead Free", Length=1mm, Mount="Surface Mount", Packaging="Tape and Reel", Reach SVHC Compliant=No, RoHS Compliant=Yes, Series=CGA, Termination=SMD/SMT, Thickness=0.022inch, Voltage Rating (DC)=50V, Weight=2.3E-05oz, Width=0.02inch
C6 C7 C8 C9 C12 C13 C14 C20 C24 C25: library part CMP-00643-2, "GRM188R61E106KA73J", Capacitance=10uF, Case/Package=0603, Max Operating Temperature=85°C, Min Operating Temperature=-55°C, Tolerance=10%, Voltage Rating=25V, Install=POP, Mount="Surface Mount", RoHS Compliant=Yes, Series=GRM
C10 C15 C21 C26 C47 C59 C61 C63: library part CMP-00369-1, "Cap Ceramic 0.1uF 25V X5R 10% Pad SMD 0402 Multi Layer Ceramic Capacitor (MLCC)", Capacitance=100nF, Case Code (Imperial)=0402, Case Code (Metric)=1005, Dielectric=X5R, Max Operating Temperature=85°C, Min Operating Temperature=-55°C, Package Quantity=1, Tolerance=10%, Voltage=25V, Case/Package=0402, Construction=Flat, Depth=0.5mm, Height=0.5mm, Install=POP, Lead Free="Lead Free", Length=1mm, Mount="Surface Mount", Packaging="Tape and Reel", Radiation Hardening=No, RoHS Compliant=Yes, Series=CL, Thickness=0.022inch, Voltage Rating=25V, Voltage Rating (DC)=25V, Width=0.02inch
C16: library part CMP-00337-1, "Cap Ceramic 10uF 6.3V X5R 20% SMD 0402 85°C Paper T/R", Capacitance=10uF, Case Code (Imperial)=0402, Case Code (Metric)=1005, Dielectric=X5R, Max Operating Temperature=85°C, Min Operating Temperature=-55°C, Package Quantity=1, Tolerance=20%, Voltage Rating=6.3V, Case/Package=0402, Construction=Flat, Depth=0.5mm, Height=0.5mm, Install=POP, Length=1mm, Mount="Surface Mount", Packaging="Tape and Reel", Radiation Hardening=No, RoHS Compliant=Yes, Series=CL, Thickness=0.028inch, Width=0.02inch
C17 C45: library part CMP-00314-2, "CAP CER 10000PF 25V 10% X7R 0402", Capacitance=10nF, Case Code (Imperial)=0402, Case Code (Metric)=1005, Dielectric=X7R, Max Operating Temperature=125°C, Min Operating Temperature=-55°C, Package Quantity=1, Ratings=AEC-Q200, Tolerance=10%, Voltage=25V, Case/Package=0402, Construction=Flat, Depth=0.5mm, Height=0.5mm, Install=POP, Lead Free="Lead Free", Length=1mm, Mount="Surface Mount", Packaging="Tape and Reel", Radiation Hardening=No, REACH SVHC="No SVHC", RoHS Compliant=Yes, Series=GCM, Termination=SMD/SMT, Thickness=0.022inch, Voltage Rating=25V, Voltage Rating (DC)=25V, Width=0.02inch
C19: library part CMP-00315-2, "CAP CER 2.2UF 6.3V X5R 0402", Capacitance=2.2uF, Case Code (Imperial)=0402, Case Code (Metric)=1005, Dielectric=X5R, Max Operating Temperature=85°C, Min Operating Temperature=-55°C, Package Quantity=1, Resistor Type=Ceramic, Tolerance=10%, Voltage Rating=6.3V, Case/Package=0402, Construction=Flat, Depth=0.5mm, Height=0.5mm, Install=POP, Lead Free="Lead Free", Length=1mm, Mount="Surface Mount", Packaging="Tape and Reel", Radiation Hardening=No, RoHS Compliant=Yes, Series=CL, Termination=SMD/SMT, Thickness=0.022inch, Voltage Rating (DC)=6.3V, Width=0.02inch
C22 C60 C64: library part CMP-00317-1, "CAP CER 1UF 16V X5R 0402", Case Code (Imperial)=0402, Case Code (Metric)=1005, Dielectric=X5R, Max Operating Temperature=85°C, Min Operating Temperature=-55°C, Package Quantity=1, Tolerance=10%, Voltage=16V, Capacitance=1uF, Case/Package=0402, Construction=Flat, Contact Plating=Tin, Depth=0.5mm, Height=0.5mm, Install=POP, Length=1mm, Mount="Surface Mount", Packaging="Tape and Reel", Radiation Hardening=No, RoHS Compliant=Yes, Series=CL, Thickness=0.022inch, Voltage Rating=16V, Width=0.02inch
C23: library part CMP-00316-1, "Cap Ceramic 4.7uF 10V X5R 20% SMD 0402 85°C Paper T/R", Capacitance=4.7uF, Case Code (Imperial)=0402, Case Code (Metric)=1005, Dielectric=X5R, Max Operating Temperature=85°C, Min Operating Temperature=-55°C, Package Quantity=10000, Tolerance=20%, Voltage Rating=10V, Case/Package=0402, Install=POP, Lead Free="Lead Free", Length=0.039inch, Mount="Surface Mount", Packaging="Cut Tape", RoHS Compliant=Yes, Series=CL, Thickness=0.022inch, Width=0.02inch
C27: library part CMP-00366-1, "0402 1 nF 50V ±10 % Tolerance X7R Surface Mount Multilayer Ceramic Capacitor", Capacitance=1nF, Case Code (Imperial)=0402, Case Code (Metric)=1005, Dielectric=X7R, Insulation Resistance=100GR, Max Operating Temperature=125°C, Min Operating Temperature=-55°C, Package Quantity=1, Tolerance=10%, Voltage=50V, Case/Package=0402, Construction=Flat, Contact Plating=Tin,Matte, Depth=0.5mm, Dissipation Factor=2.5%, Height=0.56mm, Install=POP, Lead Free="Lead Free", Length=1mm, Mount="Surface Mount", Number of Pins=2, Packaging="Tape and Reel", Radiation Hardening=No, Reach SVHC Compliant=Yes, RoHS Compliant=Yes, Series=-, Termination=SMD/SMT, Thickness=0.022inch, Voltage Rating=50V, Voltage Rating (DC)=50V, Width=0.02inch
C28: library part CMP-00343-1, "Ceramic capacitor SMD-0402 470nF /6, 3V X5R# K +-10%, Samsung, RoHS", Capacitance=470nF, Case Code (Imperial)=0402, Case Code (Metric)=1005, Dielectric=X5R, Max Operating Temperature=85°C, Min Operating Temperature=-55°C, Package Quantity=1, Tolerance=10%, Voltage=6.3V, Case/Package=0402, Construction=Flat, Contact Plating=Tin, Depth=0.5mm, Height=0.5mm, Install=POP, Lead Free="Lead Free", Length=1mm, Mount="Surface Mount", Packaging="Tape and Reel", Radiation Hardening=No, RoHS Compliant=Yes, Series=CL, Thickness=0.022inch, Voltage Rating=6.3V, Voltage Rating (DC)=6.3V, Width=0.02inch
C29 C30 C31 C33: library part CMP-00446-1, "Ceramic capacitor SMD 0402 100nF 16V X7R 10%", Case Code (Imperial)=0402, Case Code (Metric)=1005, Dielectric=X7R, Max Operating Temperature=125°C, Min Operating Temperature=-55°C, Package Quantity=1, Tolerance=10%, Voltage=16V, Case/Package=0402, Construction=Flat, Contact Plating=Tin, Depth=0.5mm, Height=0.5mm, Install=POP, Lead Free="Lead Free", Length=1mm, Material=Ceramic, Mounting Technology="Surface Mount", Packaging="Tape and Reel", Radiation Hardening=No, RoHS Compliant=Yes, Series=CL, Thickness=0.022inch, Voltage Rating=16V, Voltage Rating (DC)=16V, Width=0.02inch
C32 C62 C65: library part CMP-00980-1, "1206 22 uF 16 V ±10% Tolerance X5R SMT Multilayer Ceramic Capacitor", Case Code (Imperial)=1206, Case Code (Metric)=3216, Dielectric=X5R, Max Operating Temperature=85°C, Min Operating Temperature=-55°C, Package Quantity=1, Tolerance=10%, Voltage=16V, Case/Package=1206, Construction=Flat, Depth=1.6mm, Height=1.6mm, Lead Free="Lead Free", Length=3.2mm, Material=Ceramic, Mounting Technology="Surface Mount", Packaging="Tape and Reel", Pins=2, Radiation Hardening=No, Reach SVHC Compliant=No, RoHS Compliant=Yes, Series=GRM, Termination=SMD/SMT, Thickness=0.071inch, Voltage Rating=16V, Voltage Rating (DC)=16V, Width=1.6mm
C34: library part CMP-00978-2, "Cap Aluminum Polymer 56uF 20VDC 20%( 5 X 5.9mm) SMD 0.03 Ohm 2800mA 5000h 105C T/R", Case/Package=Radial, ESR (Equivalent Series Resistance)=30mR, Leakage Current=224uA, Max Operating Temperature=105°C, Min Operating Temperature=-55°C, Package Quantity=1500, Ripple Current=2.8A, Tolerance=20%, Voltage=20V, Diameter=5mm, Dissipation Factor=12%, Height=5.9mm, Length=5.9mm, Life (Hours)=5000Hour, Mounting Technology="Surface Mount", Packaging="Tape and Reel", Pins=6, Reach SVHC Compliant=No, Ripple Current (AC)=2.8A, RoHS Compliant=Yes, Series="OS-CON™, SVPF", Termination=SMD/SMT, Voltage Rating=20V, Voltage Rating (DC)=20V
C35 C81 C82: library part CMP-00979-2, "Multilayer Ceramic Capacitor, 47 uF, 16 V, 10%, X5R, 1210 [3225 Metric]", Case Code (Imperial)=1210, Case Code (Metric)=3225, Dielectric=X5R, Max Operating Temperature=85°C, Min Operating Temperature=-55°C, Package Quantity=1, Tolerance=10%, Voltage Rating=16V, Case/Package=1210, Height=2.8mm, Lead Free="Lead Free", Length=0.126inch, Material=Ceramic, Mounting Technology="Surface Mount", Packaging="Cut Tape", RoHS Compliant=Yes, Series=CL, Thickness=0.106inch, Voltage Rating (DC)=16V, Width=0.098inch
C36: library part CMP-00316-1, "Cap Ceramic 4.7uF 10V X5R 20% SMD 0402 85°C Paper T/R", Case Code (Imperial)=0402, Case Code (Metric)=1005, Dielectric=X5R, Max Operating Temperature=85°C, Min Operating Temperature=-55°C, Package Quantity=10000, Tolerance=20%, Voltage Rating=10V, Capacitance=4.7uF, Case/Package=0402, Install=POP, Lead Free="Lead Free", Length=0.039inch, Mount="Surface Mount", Packaging="Cut Tape", RoHS Compliant=Yes, Series=CL, Thickness=0.022inch, Width=0.02inch
C37: library part CMP-00987-2, "Multilayer Ceramic Capacitors MLCC - SMD/SMT 50V 91pF C0G 0402 5%", Case Code (Imperial)=0402, Case Code (Metric)=1005, Max Operating Temperature=125°C, Min Operating Temperature=-55°C, Tolerance=5%, Voltage Rating=50V, Case/Package=0402, Halogen Free="Halogen Free", Lead Free="Lead Free", Length=0.039inch, Mounting Technology="Surface Mount", Packaging="Cut Tape", Series=CC, Thickness=0.022inch, Voltage Rating (DC)=50V, Width=0.02inch
C38 C77: library part CMP-001-00029-1, "0402 12 nF 16 V ±10% Tolerance X7R SMT Multilayer Ceramic Capacitor", Case Code (Imperial)=0402, Case Code (Metric)=1005, Dielectric=X7R, Max Operating Temperature=125°C, Min Operating Temperature=-55°C, Package Quantity=1, Tolerance=10%, Voltage=16V, Case/Package=0402, Construction=Flat, Depth=0.5mm, Height=0.5mm, Install=POP, Lead Free="Lead Free", Length=1mm, Material=Ceramic, Mounting Technology="Surface Mount", Packaging="Tape and Reel", Pins=2, Radiation Hardening=No, RoHS Compliant=Yes, Series=GRM, Termination=SMD/SMT, Thickness=0.022inch, Voltage Rating=16V, Voltage Rating (DC)=16V, Width=0.5mm
C39 C78 C79: library part CMP-00961-2, "Cap Tant Solid 68uF 35V V CASE 20% (7.3 X 6.1 X 3.45mm) SMD 7361-38 0.5 Ohm 125AHA T/R", Case Code (Imperial)=2924, Case Code (Metric)=7361, Dielectric Material=Tantalum, ESR (Equivalent Series Resistance)=500mR, Leakage Current=23.8uA, Max Operating Temperature=125°C, Min Operating Temperature=-55°C, Package Quantity=400, Tolerance=20%, Voltage Rating=35V, Case/Package=2924, Construction=Flat, Depth=6.1mm, Dissipation Factor=6%, Features="General Purpose", Height=3.8mm, Height - Seated (Max)=0.148inch, Lead Free="Lead Free", Length=7.3mm, Mounting Technology="Surface Mount", Packaging="Tape and Reel", Polarity=Polar, Radiation Hardening=No, Reach SVHC Compliant=No, RoHS Compliant=Yes, Series=TAJ, Termination=SMD/SMT, Voltage Rating (DC)=35V, Width=6.1mm
C40: library part CMP-00959-2, "Multilayer Ceramic Capacitor, 22 uF, 35 V, ± 20%, X5R, 0805 [2012 Metric]", Case Code (Imperial)=0805, Case Code (Metric)=2012, Dielectric=X5R, Dielectric Material=Ceramic, Max Operating Temperature=85°C, Min Operating Temperature=-55°C, Package Quantity=1, Tolerance=20%, Voltage Rating=35V, Case/Package=0805, Height=1.25mm, Lead Free="Lead Free", Length=0.079inch, Material=Ceramic, Mounting Technology="Surface Mount", Packaging="Tape and Reel", Reach SVHC Compliant=No, RoHS Compliant=Yes, Series=C, Termination=SMD/SMT, Thickness=0.057inch, Voltage Rating (DC)=35V, Weight=0.000194oz, Width=0.049inch
C41: library part CMP-00349-1, "Multilayer Ceramic Capacitors (High dielectric type), 25V, 1 uF, ± 10 %, 0603, X5R/B, RoHS", Capacitance=1uF, Case Code (Imperial)=0603, Case Code (Metric)=1608, Dielectric=X5R, Max Operating Temperature=85°C, Min Operating Temperature=-55°C, Package Quantity=4000, Resistor Type=Ceramic, Tolerance=10%, Voltage=25V, Case/Package=0603, Construction=Flat, Contact Plating=Nickel, Depth=0.8mm, Halogen Free="Halogen Free", Height=0.8mm, Install=POP, Lead Free="Lead Free", Length=1.6mm, Mount="Surface Mount", Number of Pins=2, Packaging="Tape and Reel", Radiation Hardening=No, REACH SVHC="No SVHC", RoHS Compliant=Yes, Series=M, Termination=SMD/SMT, Thickness=0.035inch, Voltage Rating=25V, Voltage Rating (DC)=25V, Width=0.8mm
C42: library part CMP-001-00011-1, "Multilayer Ceramic Capacitors MLCC - SMD/SMT 1uF 50V 0603 RoHS", Case Code (Imperial)=0603, Case Code (Metric)=1608, Dielectric=X5R, Max Operating Temperature=85°C, Min Operating Temperature=-55°C, Package Quantity=4000, Resistor Type=Ceramic, Tolerance=10%, Voltage Rating=50V, Case/Package=0603, Halogen Free="Halogen Free", Install=POP, Lead Free="Lead Free", Length=0.063inch, Mounting Technology="Surface Mount", Packaging="Tape and Reel", RoHS Compliant=Yes, Series=CC, Termination=SMD/SMT, Thickness=0.035inch, Voltage Rating (DC)=50V, Weight=7.1E-05oz, Width=0.031inch
C43: library part CMP-00507-2, "Ceramic capacitor SMD; 0402; 10uF; 10V; X5R; 20%", Case Code (Imperial)=0402, Dielectric=X5R, Tolerance=20%, Voltage Rating=10V, Capacitance=10uF, Install=POP
C44 C68 C80: library part CMP-00342-1, "Cap Ceramic 1uF 6.3V X5R 10% SMD 0402 85C Paper T/R", Capacitance=1uF, Case Code (Imperial)=0402, Case Code (Metric)=1005, Dielectric=X5R, Max Operating Temperature=85°C, Min Operating Temperature=-55°C, Package Quantity=10000, Resistor Type=Ceramic, Tolerance=10%, Voltage Rating=6.3V, Case/Package=0402, Construction=Flat, Depth=0.5mm, Halogen Free="Halogen Free", Height=0.5mm, Install=POP, Lead Free="Lead Free", Length=1mm, Mount="Surface Mount", Number of Pins=2, Packaging="Tape and Reel", Radiation Hardening=No, REACH SVHC="No SVHC", RoHS Compliant=Yes, Series=M, Termination=SMD/SMT, Thickness=0.022inch, Voltage Rating (DC)=6.3V, Width=0.5mm
C48 C53 C54: library part CMP-00507-2, "Ceramic capacitor SMD; 0402; 10uF; 10V; X5R; 20%", Capacitance=10uF, Case Code (Imperial)=0402, Dielectric=X5R, Tolerance=20%, Voltage Rating=10V, Install=POP
C49 C50 C51 C52 C75: library part CMP-00724-2, "Multilayer Ceramic Capacitor, 0.01 uF, 35 V, ± 10%, X7R, 0402 [1005 Metric]", Case Code (Imperial)=0402, Case Code (Metric)=1005, Dielectric=X7R, Max Operating Temperature=125°C, Min Operating Temperature=-55°C, Package Quantity=1, Ratings=AEC-Q200, Tolerance=10%, Voltage Rating=35V, Case/Package=0402, Depth=0.5mm, Height=0.5mm, Install=POP, Length=1mm, Mounting Technology="Surface Mount", Packaging="Tape and Reel", Reach SVHC Compliant=No, RoHS Compliant=Yes, Series=CGA, Termination=SMD/SMT, Thickness=0.022inch, Voltage Rating (DC)=35V, Weight=2.3E-05oz, Width=0.02inch